# Altium PCB RockerBox_Rev01.PcbDoc (part 4 of 8) (continued)
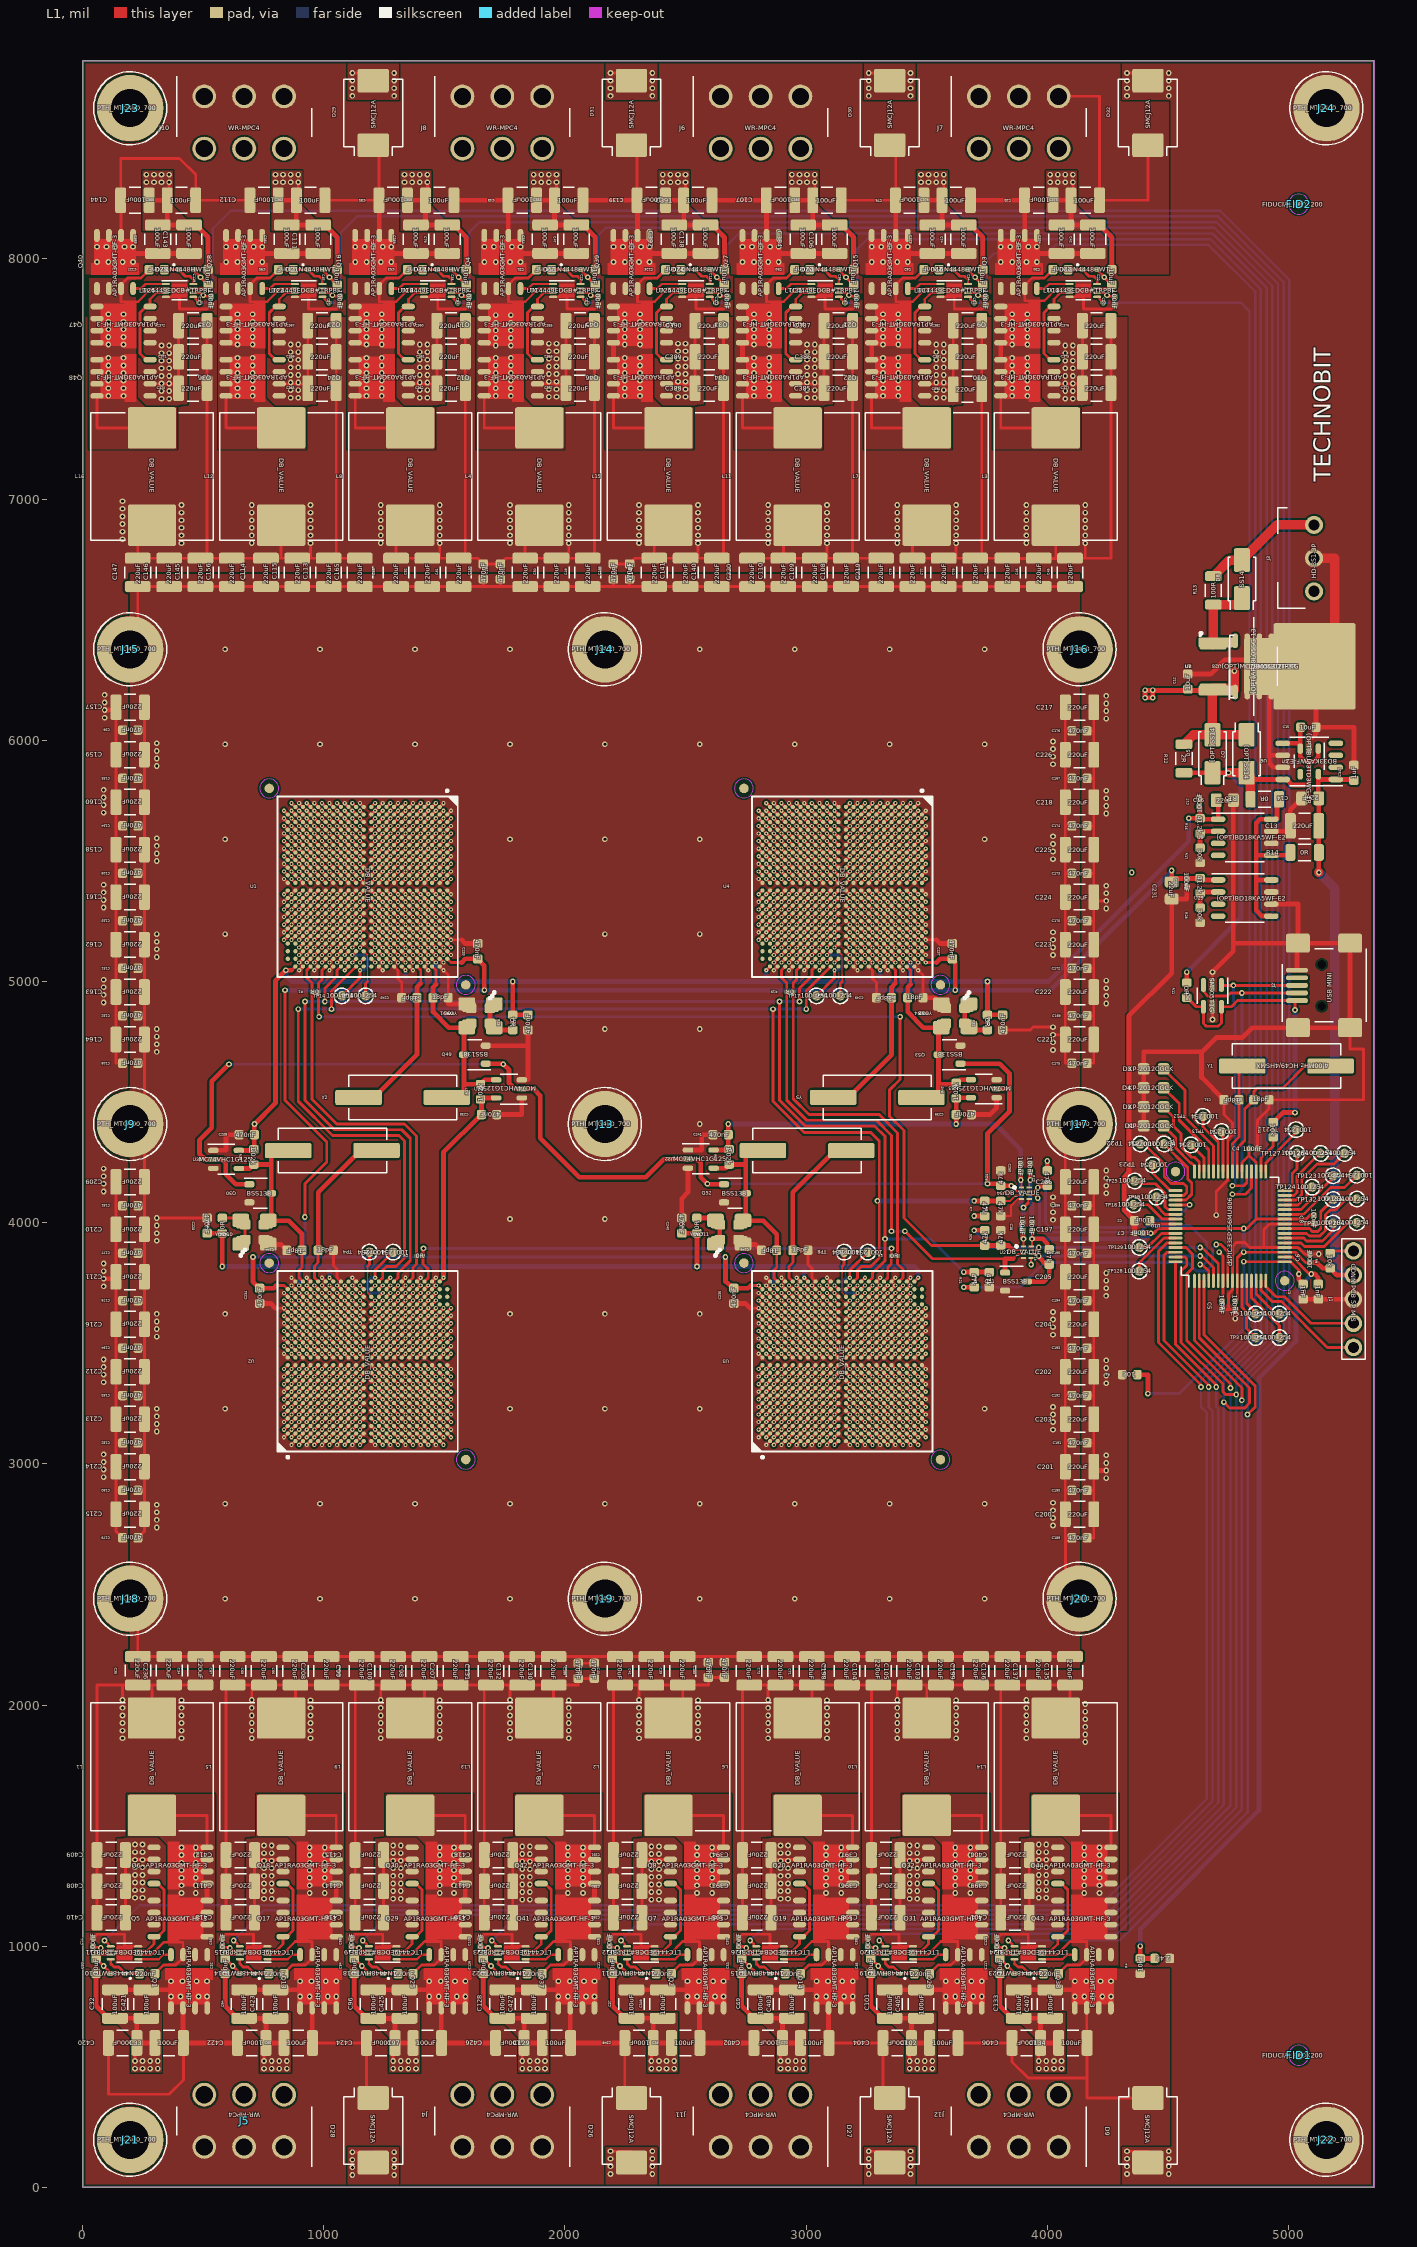
[diagram p0: L1 view]
## Nets (pads, with @x,y where several pads share a name; then routed paths per layer and width w, separated by ;. In a path a pad name is that pad's centre, name@x,y a point inside that pad or via, vN(x,y) a via of type N, cw(c..) or ccw(c..) an arc to the next point about the centre after c; other vN are vias at no path point) (continued)
; U2.AA3@1480.31,3157.48 v1(1496.06,3141.73) ; U2.AA5@1480.31,3220.47 v1(1496.06,3204.72) ; U2.AA7@1480.31,3283.46 v1(1496.06,3267.72) ; U2.AA9@1480.31,3346.46 v1(1496.06,3330.71) ; U2.AA11@1480.31,3409.45 v1(1496.06,3393.7) ; U2.AA13@1480.31,3472.44 v1(1496.06,3488.19) ; U2.AA15@1480.31,3535.43 v1(1496.06,3551.18) ; U2.AA17@1480.31,3598.43 v1(1496.06,3614.17) ; U1.B20@1480.31,5125.98 v1(1496.06,5110.24) ; U1.B18@1480.31,5188.98 v1(1496.06,5173.23) ; U1.B16@1480.31,5251.97 v1(1496.06,5236.22) ; U1.B14@1480.31,5314.96 v1(1496.06,5299.21) ; U1.B12@1480.31,5377.95 v1(1496.06,5362.2) ; U1.B10@1480.31,5440.94 v1(1496.06,5456.69) ; U1.B8@1480.31,5503.94 v1(1496.06,5519.68) ; U1.B6@1480.31,5566.93 v1(1496.06,5582.68) ; U1.B4@1480.31,5629.92 v1(1496.06,5645.67) ; U1.B2@1480.31,5692.91 v1(1496.06,5708.66) ; v2(1480.31,6817.91) C82.2@1480.31,6755.91 ; U2.AB2@1511.81,3125.98 v1(1527.56,3110.24) ; U2.AB4@1511.81,3188.98 v1(1527.56,3173.23) ; U2.AB6@1511.81,3251.97 v1(1527.56,3236.22) ; U2.AB8@1511.81,3314.96 v1(1527.56,3299.21) ; U2.AB10@1511.81,3377.95 v1(1527.56,3362.2) ; U2.AB12@1511.81,3440.94 v1(1527.56,3456.69) ; U2.AB14@1511.81,3503.94 v1(1527.56,3519.68) ; U2.AB16@1511.81,3566.93 v1(1527.56,3582.68) ; U2.AB18@1511.81,3629.92 v1(1527.56,3645.67) ; U1.A19@1511.81,5157.48 v1(1527.56,5141.73) ; U1.A17@1511.81,5220.47 v1(1527.56,5204.72) ; U1.A15@1511.81,5283.46 v1(1527.56,5267.72) ; U1.A13@1511.81,5346.46 v1(1527.56,5330.71) ; U1.A11@1511.81,5409.45 v1(1527.56,5425.2) ; U1.A9@1511.81,5472.44 v1(1527.56,5488.19) ; U1.A7@1511.81,5535.43 v1(1527.56,5551.18) ; U1.A5@1511.81,5598.43 v1(1527.56,5614.17) ; U1.A3@1511.81,5661.42 v1(1527.56,5677.17) ; C360.2@1586.61,7720.47 C81.2@1586.61,6755.91 ; C419.2@1665.35,1118.11 C417.2@1665.35,1248.03 C418.2@1665.35,1377.95 C131.2@1665.35,2082.68 ; v2(1771.65,2020.67) C132.2@1771.65,2082.68 ; L13.2@1893.7,1945.87 1952.76,1945.87 C130.2@1952.76,2082.68 ; L4.2@1893.7,6892.72 1834.65,6892.72 C51.2@1834.65,6755.91 ; v2(2015.75,6817.91) C50.2@2015.75,6755.91 ; C185.2@2122.05,2110.24 C186.2@2055.12,2110.24 2055.12,2082.68 C130.2@1952.76,2082.68 ; C355.2@2122.05,7720.47 C356.2@2122.05,7590.55 C357.2@2122.05,7460.63 2122.05,6755.91 C49.2@2094.49,6755.91 C50.2@2015.75,6755.91 ; C352.2@2200.79,1118.11 C350.2@2200.79,1248.03 C351.2@2200.79,1377.95 2200.79,2082.68 C40.2@2228.35,2082.68 C41.2@2307.09,2082.68 ; C166.2@2200.79,6732.28 C171.2@2267.72,6732.28 2291.34,6755.91 C142.2@2370.08,6755.91 ; v2(2307.09,2020.67) C41.2@2307.09,2082.68 ; L2.2@2429.13,1945.87 2488.19,1945.87 C39.2@2488.19,2082.68 ; L15.2@2429.13,6892.72 2370.08,6892.72 C142.2@2370.08,6755.91 ; v2(2551.18,6817.91) C141.2@2551.18,6755.91 ; C390.2@2657.48,7720.47 C389.2@2657.48,7590.55 C388.2@2657.48,7460.63 2657.48,6755.91 C140.2@2629.92,6755.91 C141.2@2551.18,6755.91 ; C187.2@2661.42,2114.17 C188.2@2594.49,2114.17 2594.49,2082.68 C39.2@2488.19,2082.68 ; C395.2@2736.22,1118.11 C393.2@2736.22,1248.03 C394.2@2736.22,1377.95 2736.22,2082.68 C72.2@2763.78,2082.68 C73.2@2842.52,2082.68 ; C220.2@2775.59,6755.91 C110.2@2905.51,6755.91 ; v1(2803.15,3141.73) U3.A3@2818.9,3157.48 ; v1(2803.15,3204.72) U3.A5@2818.9,3220.47 ; v1(2803.15,3267.72) U3.A7@2818.9,3283.46 ; v1(2803.15,3330.71) U3.A9@2818.9,3346.46 ; v1(2803.15,3393.7) U3.A11@2818.9,3409.45 ; v1(2803.15,3488.19) U3.A13@2818.9,3472.44 ; v1(2803.15,3551.18) U3.A15@2818.9,3535.43 ; v1(2803.15,3614.17) U3.A17@2818.9,3598.43 ; v1(2803.15,3677.17) U3.A19@2818.9,3661.42 ; v1(2803.15,5173.23) U4.AB18@2818.9,5188.98 ; v1(2803.15,5236.22) U4.AB16@2818.9,5251.97 ; v1(2803.15,5299.21) U4.AB14@2818.9,5314.96 ; v1(2803.15,5362.2) U4.AB12@2818.9,5377.95 ; v1(2803.15,5456.69) U4.AB10@2818.9,5440.94 ; v1(2803.15,5519.68) U4.AB8@2818.9,5503.94 ; v1(2803.15,5582.68) U4.AB6@2818.9,5566.93 ; v1(2803.15,5645.67) U4.AB4@2818.9,5629.92 ; v1(2803.15,5708.66) U4.AB2@2818.9,5692.91 ; v1(2834.65,3110.24) U3.B2@2850.39,3125.98 ; v1(2834.65,3173.23) U3.B4@2850.39,3188.98 ; v1(2834.65,3236.22) U3.B6@2850.39,3251.97 ; v1(2834.65,3299.21) U3.B8@2850.39,3314.96 ; v1(2834.65,3362.2) U3.B10@2850.39,3377.95 ; v1(2834.65,3456.69) U3.B12@2850.39,3440.94 ; v1(2834.65,3519.68) U3.B14@2850.39,3503.94 ; v1(2834.65,3582.68) U3.B16@2850.39,3566.93 ; v1(2834.65,3645.67) U3.B18@2850.39,3629.92 ; v1(2834.65,3708.66) U3.B20@2850.39,3692.91 ; v1(2834.65,5204.72) U4.AA17@2850.39,5220.47 ; v1(2834.65,5267.72) U4.AA15@2850.39,5283.46 ; v1(2834.65,5330.71) U4.AA13@2850.39,5346.46 ; v1(2834.65,5425.2) U4.AA11@2850.39,5409.45 ; v1(2834.65,5488.19) U4.AA9@2850.39,5472.44 ; v1(2834.65,5551.18) U4.AA7@2850.39,5535.43 ; v1(2834.65,5614.17) U4.AA5@2850.39,5598.43 ; v1(2834.65,5677.17) U4.AA3@2850.39,5661.42 ; v1(2834.65,5740.16) U4.AA1@2850.39,5724.41 ; v2(2842.52,2020.67) C73.2@2842.52,2082.68 ; v1(2866.14,3078.74) U3.C1@2881.89,3094.49 ; v1(2866.14,3141.73) U3.C3@2881.89,3157.48 ; v1(2866.14,3204.72) U3.C5@2881.89,3220.47 ; v1(2866.14,3267.72) U3.C7@2881.89,3283.46 ; v1(2866.14,3330.71) U3.C9@2881.89,3346.46 ; v1(2866.14,3393.7) U3.C11@2881.89,3409.45 ; v1(2866.14,3488.19) U3.C13@2881.89,3472.44 ; v1(2866.14,3551.18) U3.C15@2881.89,3535.43 ; v1(2866.14,3614.17) U3.C17@2881.89,3598.43 ; v1(2866.14,3677.17) U3.C19@2881.89,3661.42 ; v1(2866.14,5110.24) U4.Y20@2881.89,5125.98 ; v1(2866.14,5173.23) U4.Y18@2881.89,5188.98 ; v1(2866.14,5236.22) U4.Y16@2881.89,5251.97 ; v1(2866.14,5299.21) U4.Y14@2881.89,5314.96 ; v1(2866.14,5362.2) U4.Y12@2881.89,5377.95 ; v1(2866.14,5456.69) U4.Y10@2881.89,5440.94 ; v1(2866.14,5519.68) U4.Y8@2881.89,5503.94 ; v1(2866.14,5582.68) U4.Y6@2881.89,5566.93 ; v1(2866.14,5645.67) U4.Y4@2881.89,5629.92 ; v1(2866.14,5708.66) U4.Y2@2881.89,5692.91 ; v1(2897.64,3110.24) U3.D2@2913.39,3125.98 ; v1(2897.64,3173.23) U3.D4@2913.39,3188.98 ; v1(2897.64,3236.22) U3.D6@2913.39,3251.97 ; v1(2897.64,3299.21) U3.D8@2913.39,3314.96 ; v1(2897.64,3362.2) U3.D10@2913.39,3377.95 ; v1(2897.64,3456.69) U3.D12@2913.39,3440.94 ; v1(2897.64,3519.68) U3.D14@2913.39,3503.94 ; v1(2897.64,3582.68) U3.D16@2913.39,3566.93 ; v1(2897.64,3645.67) U3.D18@2913.39,3629.92 ; v1(2897.64,3708.66) U3.D20@2913.39,3692.91 ; v1(2897.64,5078.74) U4.W21@2913.39,5094.49 ; v1(2897.64,5141.73) U4.W19@2913.39,5157.48 ; v1(2897.64,5204.72) U4.W17@2913.39,5220.47 ; v1(2897.64,5267.72) U4.W15@2913.39,5283.46 ; v1(2897.64,5330.71) U4.W13@2913.39,5346.46 ; v1(2897.64,5425.2) U4.W11@2913.39,5409.45 ; v1(2897.64,5488.19) U4.W9@2913.39,5472.44 ; v1(2897.64,5551.18) U4.W7@2913.39,5535.43 ; v1(2897.64,5614.17) U4.W5@2913.39,5598.43 ; v1(2897.64,5677.17) U4.W3@2913.39,5661.42 ; v1(2897.64,5740.16) U4.W1@2913.39,5724.41 ; v1(2929.13,3078.74) U3.E1@2944.88,3094.49 ; v1(2929.13,3141.73) U3.E3@2944.88,3157.48 ; v1(2929.13,3204.72) U3.E5@2944.88,3220.47 ; v1(2929.13,3267.72) U3.E7@2944.88,3283.46 ; v1(2929.13,3330.71) U3.E9@2944.88,3346.46 ; v1(2929.13,3393.7) U3.E11@2944.88,3409.45 ; v1(2929.13,3488.19) U3.E13@2944.88,3472.44 ; v1(2929.13,3551.18) U3.E15@2944.88,3535.43 ; v1(2929.13,3614.17) U3.E17@2944.88,3598.43 ; v1(2929.13,3677.17) U3.E19@2944.88,3661.42 ; v1(2929.13,3740.16) U3.E21@2944.88,3724.41 ; v1(2929.13,5110.24) U4.V20@2944.88,5125.98 ; v1(2929.13,5173.23) U4.V18@2944.88,5188.98 ; v1(2929.13,5236.22) U4.V16@2944.88,5251.97 ; v1(2929.13,5299.21) U4.V14@2944.88,5314.96 ; v1(2929.13,5362.2) U4.V12@2944.88,5377.95 ; v1(2929.13,5456.69) U4.V10@2944.88,5440.94 ; v1(2929.13,5519.68) U4.V8@2944.88,5503.94 ; v1(2929.13,5582.68) U4.V6@2944.88,5566.93 ; v1(2929.13,5645.67) U4.V4@2944.88,5629.92 ; v1(2929.13,5708.66) U4.V2@2944.88,5692.91 ; v1(2960.63,3110.24) U3.F2@2976.38,3125.98 ; v1(2960.63,3173.23) U3.F4@2976.38,3188.98 ; v1(2960.63,3236.22) U3.F6@2976.38,3251.97 ; v1(2960.63,3299.21) U3.F8@2976.38,3314.96 ; v1(2960.63,3362.2) U3.F10@2976.38,3377.95 ; v1(2960.63,3456.69) U3.F12@2976.38,3440.94 ; v1(2960.63,3519.68) U3.F14@2976.38,3503.94 ; v1(2960.63,3582.68) U3.F16@2976.38,3566.93 ; v1(2960.63,3645.67) U3.F18@2976.38,3629.92 ; v1(2960.63,3708.66) U3.F20@2976.38,3692.91 ; v1(2960.63,5078.74) U4.U21@2976.38,5094.49 ; v1(2960.63,5141.73) U4.U19@2976.38,5157.48 ; v1(2960.63,5204.72) U4.U17@2976.38,5220.47 ; v1(2960.63,5267.72) U4.U15@2976.38,5283.46 ; v1(2960.63,5330.71) U4.U13@2976.38,5346.46 ; v1(2960.63,5425.2) U4.U11@2976.38,5409.45 ; v1(2960.63,5488.19) U4.U9@2976.38,5472.44 ; v1(2960.63,5551.18) U4.U7@2976.38,5535.43 ; v1(2960.63,5614.17) U4.U5@2976.38,5598.43 ; v1(2960.63,5677.17) U4.U3@2976.38,5661.42 ; v1(2960.63,5740.16) U4.U1@2976.38,5724.41 ; L6.2@2964.57,1945.87 3023.62,1945.87 C71.2@3023.62,2082.68 ; L11.2@2964.57,6892.72 2905.51,6892.72 C110.2@2905.51,6755.91 ; v1(2992.13,3078.74) U3.G1@3007.87,3094.49 ; v1(2992.13,3141.73) U3.G3@3007.87,3157.48 ; v1(2992.13,3204.72) U3.G5@3007.87,3220.47 ; v1(2992.13,3267.72) U3.G7@3007.87,3283.46 ; v1(2992.13,3330.71) U3.G9@3007.87,3346.46 ; v1(2992.13,3393.7) U3.G11@3007.87,3409.45 ; v1(2992.13,3488.19) U3.G13@3007.87,3472.44 ; v1(2992.13,3551.18) U3.G15@3007.87,3535.43 ; v1(2992.13,3614.17) U3.G17@3007.87,3598.43 ; v1(2992.13,3677.17) U3.G19@3007.87,3661.42 ; v1(2992.13,3740.16) U3.G21@3007.87,3724.41 ; v1(2992.13,5110.24) U4.T20@3007.87,5125.98 ; v1(2992.13,5173.23) U4.T18@3007.87,5188.98 ; v1(2992.13,5236.22) U4.T16@3007.87,5251.97 ; v1(2992.13,5299.21) U4.T14@3007.87,5314.96 ; v1(2992.13,5362.2) U4.T12@3007.87,5377.95 ; v1(2992.13,5456.69) U4.T10@3007.87,5440.94 ; v1(2992.13,5519.68) U4.T8@3007.87,5503.94 ; v1(2992.13,5582.68) U4.T6@3007.87,5566.93 ; v1(2992.13,5645.67) U4.T4@3007.87,5629.92 ; v1(2992.13,5708.66) U4.T2@3007.87,5692.91 ; v1(3023.62,3110.24) U3.H2@3039.37,3125.98 ; v1(3023.62,3173.23) U3.H4@3039.37,3188.98 ; v1(3023.62,3236.22) U3.H6@3039.37,3251.97 ; v1(3023.62,3299.21) U3.H8@3039.37,3314.96 ; v1(3023.62,3362.2) U3.H10@3039.37,3377.95 ; v1(3023.62,3456.69) U3.H12@3039.37,3440.94 ; v1(3023.62,3519.68) U3.H14@3039.37,3503.94 ; v1(3023.62,3582.68) U3.H16@3039.37,3566.93 ; v1(3023.62,3645.67) U3.H18@3039.37,3629.92 ; v1(3023.62,3708.66) U3.H20@3039.37,3692.91 ; v1(3023.62,5078.74) U4.R21@3039.37,5094.49 ; v1(3023.62,5141.73) U4.R19@3039.37,5157.48 ; v1(3023.62,5204.72) U4.R17@3039.37,5220.47 ; v1(3023.62,5267.72) U4.R15@3039.37,5283.46 ; v1(3023.62,5330.71) U4.R13@3039.37,5346.46 ; v1(3023.62,5425.2) U4.R11@3039.37,5409.45 ; v1(3023.62,5488.19) U4.R9@3039.37,5472.44 ; v1(3023.62,5551.18) U4.R7@3039.37,5535.43 ; v1(3023.62,5614.17) U4.R5@3039.37,5598.43 ; v1(3023.62,5677.17) U4.R3@3039.37,5661.42 ; v1(3023.62,5740.16) U4.R1@3039.37,5724.41 ; v1(3055.12,3078.74) U3.J1@3070.87,3094.49 ; v1(3055.12,3141.73) U3.J3@3070.87,3157.48 ; v1(3055.12,3204.72) U3.J5@3070.87,3220.47 ; v1(3055.12,3267.72) U3.J7@3070.87,3283.46 ; v1(3055.12,3330.71) U3.J9@3070.87,3346.46 ; v1(3055.12,3393.7) U3.J11@3070.87,3409.45 ; v1(3055.12,3488.19) U3.J13@3070.87,3472.44 ; v1(3055.12,3551.18) U3.J15@3070.87,3535.43 ; v1(3055.12,3614.17) U3.J17@3070.87,3598.43 ; v1(3055.12,3677.17) U3.J19@3070.87,3661.42 ; v1(3055.12,3740.16) U3.J21@3070.87,3724.41 ; v1(3055.12,5110.24) U4.P20@3070.87,5125.98 ; v1(3055.12,5173.23) U4.P18@3070.87,5188.98 ; v1(3055.12,5236.22) U4.P16@3070.87,5251.97 ; v1(3055.12,5299.21) U4.P14@3070.87,5314.96 ; v1(3055.12,5362.2) U4.P12@3070.87,5377.95 ; v1(3055.12,5456.69) U4.P10@3070.87,5440.94 ; v1(3055.12,5519.68) U4.P8@3070.87,5503.94 ; v1(3055.12,5582.68) U4.P6@3070.87,5566.93 ; v1(3055.12,5645.67) U4.P4@3070.87,5629.92 ; v1(3055.12,5708.66) U4.P2@3070.87,5692.91 ; v1(3086.61,3110.24) U3.K2@3102.36,3125.98 ; v1(3086.61,3173.23) U3.K4@3102.36,3188.98 ; v1(3086.61,3236.22) U3.K6@3102.36,3251.97 ; v1(3086.61,3299.21) U3.K8@3102.36,3314.96 ; v1(3086.61,3362.2) U3.K10@3102.36,3377.95 ; v1(3086.61,3456.69) U3.K12@3102.36,3440.94 ; v1(3086.61,3519.68) U3.K14@3102.36,3503.94 ; v1(3086.61,3582.68) U3.K16@3102.36,3566.93 ; v1(3086.61,3645.67) U3.K18@3102.36,3629.92 ; v1(3086.61,3708.66) U3.K20@3102.36,3692.91 ; v1(3086.61,5078.74) U4.N21@3102.36,5094.49 ; v1(3086.61,5141.73) U4.N19@3102.36,5157.48 ; v1(3086.61,5204.72) U4.N17@3102.36,5220.47 ; v1(3086.61,5267.72) U4.N15@3102.36,5283.46 ; v1(3086.61,5330.71) U4.N13@3102.36,5346.46 ; v1(3086.61,5425.2) U4.N11@3102.36,5409.45 ; v1(3086.61,5488.19) U4.N9@3102.36,5472.44 ; v1(3086.61,5551.18) U4.N7@3102.36,5535.43 ; v1(3086.61,5614.17) U4.N5@3102.36,5598.43 ; v1(3086.61,5677.17) U4.N3@3102.36,5661.42 ; v1(3086.61,5740.16) U4.N1@3102.36,5724.41 ; v2(3086.61,6817.91) C109.2@3086.61,6755.91 ; v1(3118.11,3078.74) U3.L1@3133.86,3094.49 ; v1(3118.11,3141.73) U3.L3@3133.86,3157.48 ; v1(3118.11,3204.72) U3.L5@3133.86,3220.47 ; v1(3118.11,3267.72) U3.L7@3133.86,3283.46 ; v1(3118.11,3330.71) U3.L9@3133.86,3346.46 ; v1(3118.11,3393.7) U3.L11@3133.86,3409.45 ; v1(3118.11,3488.19) U3.L13@3133.86,3472.44 ; v1(3118.11,3551.18) U3.L15@3133.86,3535.43 ; v1(3118.11,3614.17) U3.L17@3133.86,3598.43 ; v1(3118.11,3677.17) U3.L19@3133.86,3661.42 ; v1(3118.11,3740.16) U3.L21@3133.86,3724.41 ; v1(3118.11,5173.23) U4.M18@3133.86,5188.98 ; v1(3118.11,5236.22) U4.M16@3133.86,5251.97 ; v1(3118.11,5299.21) U4.M14@3133.86,5314.96 ; v1(3118.11,5362.2) U4.M12@3133.86,5377.95 ; v1(3118.11,5456.69) U4.M10@3133.86,5440.94 ; v1(3118.11,5519.68) U4.M8@3133.86,5503.94 ; v1(3118.11,5582.68) U4.M6@3133.86,5566.93 ; v1(3118.11,5645.67) U4.M4@3133.86,5629.92 ; v1(3118.11,5708.66) U4.M2@3133.86,5692.91 ; U3.M2@3165.35,3125.98 v1(3181.1,3110.24) ; U3.M4@3165.35,3188.98 v1(3181.1,3173.23) ; U3.M6@3165.35,3251.97 v1(3181.1,3236.22) ; U3.M8@3165.35,3314.96 v1(3181.1,3299.21) ; U3.M10@3165.35,3377.95 v1(3181.1,3362.2) ; U3.M12@3165.35,3440.94 v1(3181.1,3456.69) ; U3.M14@3165.35,3503.94 v1(3181.1,3519.68) ; U3.M16@3165.35,3566.93 v1(3181.1,3582.68) ; U3.M18@3165.35,3629.92 v1(3181.1,3645.67) ; U4.L21@3165.35,5094.49 v1(3181.1,5078.74) ; U4.L19@3165.35,5157.48 v1(3181.1,5141.73) ; U4.L17@3165.35,5220.47 v1(3181.1,5204.72) ; U4.L15@3165.35,5283.46 v1(3181.1,5267.72) ; U4.L13@3165.35,5346.46 v1(3181.1,5330.71) ; U4.L11@3165.35,5409.45 v1(3181.1,5425.2) ; U4.L9@3165.35,5472.44 v1(3181.1,5488.19) ; U4.L7@3165.35,5535.43 v1(3181.1,5551.18) ; U4.L5@3165.35,5598.43 v1(3181.1,5614.17) ; U4.L3@3165.35,5661.42 v1(3181.1,5677.17) ; U4.L1@3165.35,5724.41 v1(3181.1,5740.16) ; C387.2@3192.91,7720.47 C385.2@3192.91,7460.63 C108.2@3192.91,6755.91 ; U3.N1@3196.85,3094.49 v1(3212.6,3078.74) ; U3.N3@3196.85,3157.48 v1(3212.6,3141.73) ; U3.N5@3196.85,3220.47 v1(3212.6,3204.72) ; U3.N7@3196.85,3283.46 v1(3212.6,3267.72) ; U3.N9@3196.85,3346.46 v1(3212.6,3330.71) ; U3.N11@3196.85,3409.45 v1(3212.6,3393.7) ; U3.N13@3196.85,3472.44 v1(3212.6,3488.19) ; U3.N15@3196.85,3535.43 v1(3212.6,3551.18) ; U3.N17@3196.85,3598.43 v1(3212.6,3614.17) ; U3.N19@3196.85,3661.42 v1(3212.6,3677.17) ; U3.N21@3196.85,3724.41 v1(3212.6,3740.16) ; U4.K20@3196.85,5125.98 v1(3212.6,5110.24) ; U4.K18@3196.85,5188.98 v1(3212.6,5173.23) ; U4.K16@3196.85,5251.97 v1(3212.6,5236.22) ; U4.K14@3196.85,5314.96 v1(3212.6,5299.21) ; U4.K12@3196.85,5377.95 v1(3212.6,5362.2) ; U4.K10@3196.85,5440.94 v1(3212.6,5456.69) ; U4.K8@3196.85,5503.94 v1(3212.6,5519.68) ; U4.K6@3196.85,5566.93 v1(3212.6,5582.68) ; U4.K4@3196.85,5629.92 v1(3212.6,5645.67) ; U4.K2@3196.85,5692.91 v1(3212.6,5708.66) ; U3.P2@3228.35,3125.98 v1(3244.09,3110.24) ; U3.P4@3228.35,3188.98 v1(3244.09,3173.23) ; U3.P6@3228.35,3251.97 v1(3244.09,3236.22) ; U3.P8@3228.35,3314.96 v1(3244.09,3299.21) ; U3.P10@3228.35,3377.95 v1(3244.09,3362.2) ; U3.P12@3228.35,3440.94 v1(3244.09,3456.69) ; U3.P14@3228.35,3503.94 v1(3244.09,3519.68) ; U3.P16@3228.35,3566.93 v1(3244.09,3582.68) ; U3.P18@3228.35,3629.92 v1(3244.09,3645.67) ; U3.P20@3228.35,3692.91 v1(3244.09,3708.66) ; U4.J21@3228.35,5094.49 v1(3244.09,5078.74) ; U4.J19@3228.35,5157.48 v1(3244.09,5141.73) ; U4.J17@3228.35,5220.47 v1(3244.09,5204.72) ; U4.J15@3228.35,5283.46 v1(3244.09,5267.72) ; U4.J13@3228.35,5346.46 v1(3244.09,5330.71) ; U4.J11@3228.35,5409.45 v1(3244.09,5425.2) ; U4.J9@3228.35,5472.44 v1(3244.09,5488.19) ; U4.J7@3228.35,5535.43 v1(3244.09,5551.18) ; U4.J5@3228.35,5598.43 v1(3244.09,5614.17) ; U4.J3@3228.35,5661.42 v1(3244.09,5677.17) ; U4.J1@3228.35,5724.41 v1(3244.09,5740.16) ; U3.R1@3259.84,3094.49 v1(3275.59,3078.74) ; U3.R3@3259.84,3157.48 v1(3275.59,3141.73) ; U3.R5@3259.84,3220.47 v1(3275.59,3204.72) ; U3.R7@3259.84,3283.46 v1(3275.59,3267.72) ; U3.R9@3259.84,3346.46 v1(3275.59,3330.71) ; U3.R11@3259.84,3409.45 v1(3275.59,3393.7) ; U3.R13@3259.84,3472.44 v1(3275.59,3488.19) ; U3.R15@3259.84,3535.43 v1(3275.59,3551.18) ; U3.R17@3259.84,3598.43 v1(3275.59,3614.17) ; U3.R19@3259.84,3661.42 v1(3275.59,3677.17) ; U3.R21@3259.84,3724.41 v1(3275.59,3740.16) ; U4.H20@3259.84,5125.98 v1(3275.59,5110.24) ; U4.H18@3259.84,5188.98 v1(3275.59,5173.23) ; U4.H16@3259.84,5251.97 v1(3275.59,5236.22) ; U4.H14@3259.84,5314.96 v1(3275.59,5299.21) ; U4.H12@3259.84,5377.95 v1(3275.59,5362.2) ; U4.H10@3259.84,5440.94 v1(3275.59,5456.69) ; U4.H8@3259.84,5503.94 v1(3275.59,5519.68) ; U4.H6@3259.84,5566.93 v1(3275.59,5582.68) ; U4.H4@3259.84,5629.92 v1(3275.59,5645.67) ; U4.H2@3259.84,5692.91 v1(3275.59,5708.66) ; C398.2@3271.65,1118.11 C396.2@3271.65,1248.03 C397.2@3271.65,1377.95 C104.2@3271.65,2082.68 ; U3.T2@3291.34,3125.98 v1(3307.09,3110.24) ; U3.T4@3291.34,3188.98 v1(3307.09,3173.23) ; U3.T6@3291.34,3251.97 v1(3307.09,3236.22) ; U3.T8@3291.34,3314.96 v1(3307.09,3299.21) ; U3.T10@3291.34,3377.95 v1(3307.09,3362.2) ; U3.T12@3291.34,3440.94 v1(3307.09,3456.69) ; U3.T14@3291.34,3503.94 v1(3307.09,3519.68) ; U3.T16@3291.34,3566.93 v1(3307.09,3582.68) ; U3.T18@3291.34,3629.92 v1(3307.09,3645.67) ; U3.T20@3291.34,3692.91 v1(3307.09,3708.66) ; U4.G21@3291.34,5094.49 v1(3307.09,5078.74) ; U4.G19@3291.34,5157.48 v1(3307.09,5141.73) ; U4.G17@3291.34,5220.47 v1(3307.09,5204.72) ; U4.G15@3291.34,5283.46 v1(3307.09,5267.72) ; U4.G13@3291.34,5346.46 v1(3307.09,5330.71) ; U4.G11@3291.34,5409.45 v1(3307.09,5425.2) ; U4.G9@3291.34,5472.44 v1(3307.09,5488.19) ; U4.G7@3291.34,5535.43 v1(3307.09,5551.18) ; U4.G5@3291.34,5598.43 v1(3307.09,5614.17) ; U4.G3@3291.34,5661.42 v1(3307.09,5677.17) ; U4.G1@3291.34,5724.41 v1(3307.09,5740.16) ; C219.2@3311.02,6755.91 C108.2@3192.91,6755.91 ; U3.U1@3322.83,3094.49 v1(3338.58,3078.74) ; U3.U3@3322.83,3157.48 v1(3338.58,3141.73) ; U3.U5@3322.83,3220.47 v1(3338.58,3204.72) ; U3.U7@3322.83,3283.46 v1(3338.58,3267.72) ; U3.U9@3322.83,3346.46 v1(3338.58,3330.71) ; U3.U11@3322.83,3409.45 v1(3338.58,3393.7) ; U3.U13@3322.83,3472.44 v1(3338.58,3488.19) ; U3.U15@3322.83,3535.43 v1(3338.58,3551.18) ; U3.U17@3322.83,3598.43 v1(3338.58,3614.17) ; U3.U19@3322.83,3661.42 v1(3338.58,3677.17) ; U3.U21@3322.83,3724.41 v1(3338.58,3740.16) ; U4.F20@3322.83,5125.98 v1(3338.58,5110.24) ; U4.F18@3322.83,5188.98 v1(3338.58,5173.23) ; U4.F16@3322.83,5251.97 v1(3338.58,5236.22) ; U4.F14@3322.83,5314.96 v1(3338.58,5299.21) ; U4.F12@3322.83,5377.95 v1(3338.58,5362.2) ; U4.F10@3322.83,5440.94 v1(3338.58,5456.69) ; U4.F8@3322.83,5503.94 v1(3338.58,5519.68) ; U4.F6@3322.83,5566.93 v1(3338.58,5582.68) ; U4.F4@3322.83,5629.92 v1(3338.58,5645.67) ; U4.F2@3322.83,5692.91 v1(3338.58,5708.66) ; U3.V2@3354.33,3125.98 v1(3370.08,3110.24) ; U3.V4@3354.33,3188.98 v1(3370.08,3173.23) ; U3.V6@3354.33,3251.97 v1(3370.08,3236.22) ; U3.V8@3354.33,3314.96 v1(3370.08,3299.21) ; U3.V10@3354.33,3377.95 v1(3370.08,3362.2) ; U3.V12@3354.33,3440.94 v1(3370.08,3456.69) ; U3.V14@3354.33,3503.94 v1(3370.08,3519.68) ; U3.V16@3354.33,3566.93 v1(3370.08,3582.68) ; U3.V18@3354.33,3629.92 v1(3370.08,3645.67) ; U3.V20@3354.33,3692.91 v1(3370.08,3708.66) ; U4.E21@3354.33,5094.49 v1(3370.08,5078.74) ; U4.E19@3354.33,5157.48 v1(3370.08,5141.73) ; U4.E17@3354.33,5220.47 v1(3370.08,5204.72) ; U4.E15@3354.33,5283.46 v1(3370.08,5267.72) ; U4.E13@3354.33,5346.46 v1(3370.08,5330.71) ; U4.E11@3354.33,5409.45 v1(3370.08,5425.2) ; U4.E9@3354.33,5472.44 v1(3370.08,5488.19) ; U4.E7@3354.33,5535.43 v1(3370.08,5551.18) ; U4.E5@3354.33,5598.43 v1(3370.08,5614.17) ; U4.E3@3354.33,5661.42 v1(3370.08,5677.17) ; U4.E1@3354.33,5724.41 v1(3370.08,5740.16) ; v2(3377.95,2020.67) C105.2@3377.95,2082.68 ; U3.W1@3385.83,3094.49 v1(3401.57,3078.74) ; U3.W3@3385.83,3157.48 v1(3401.57,3141.73) ; U3.W5@3385.83,3220.47 v1(3401.57,3204.72) ; U3.W7@3385.83,3283.46 v1(3401.57,3267.72) ; U3.W9@3385.83,3346.46 v1(3401.57,3330.71) ; U3.W11@3385.83,3409.45 v1(3401.57,3393.7) ; U3.W13@3385.83,3472.44 v1(3401.57,3488.19) ; U3.W15@3385.83,3535.43 v1(3401.57,3551.18) ; U3.W17@3385.83,3598.43 v1(3401.57,3614.17) ; U3.W19@3385.83,3661.42 v1(3401.57,3677.17) ; U3.W21@3385.83,3724.41 v1(3401.57,3740.16) ; U4.D20@3385.83,5125.98 v1(3401.57,5110.24) ; U4.D18@3385.83,5188.98 v1(3401.57,5173.23) ; U4.D16@3385.83,5251.97 v1(3401.57,5236.22) ; U4.D14@3385.83,5314.96 v1(3401.57,5299.21) ; U4.D12@3385.83,5377.95 v1(3401.57,5362.2) ; U4.D10@3385.83,5440.94 v1(3401.57,5456.69) ; U4.D8@3385.83,5503.94 v1(3401.57,5519.68) ; U4.D6@3385.83,5566.93 v1(3401.57,5582.68) ; U4.D4@3385.83,5629.92 v1(3401.57,5645.67) ; U4.D2@3385.83,5692.91 v1(3401.57,5708.66) ; U3.Y2@3417.32,3125.98 v1(3433.07,3110.24) ; U3.Y4@3417.32,3188.98 v1(3433.07,3173.23) ; U3.Y6@3417.32,3251.97 v1(3433.07,3236.22) ; U3.Y8@3417.32,3314.96 v1(3433.07,3299.21) ; U3.Y10@3417.32,3377.95 v1(3433.07,3362.2) ; U3.Y12@3417.32,3440.94 v1(3433.07,3456.69) ; U3.Y14@3417.32,3503.94 v1(3433.07,3519.68) ; U3.Y16@3417.32,3566.93 v1(3433.07,3582.68) ; U3.Y18@3417.32,3629.92 v1(3433.07,3645.67) ; U3.Y20@3417.32,3692.91 v1(3433.07,3708.66) ; U4.C19@3417.32,5157.48 v1(3433.07,5141.73) ; U4.C17@3417.32,5220.47 v1(3433.07,5204.72) ; U4.C15@3417.32,5283.46 v1(3433.07,5267.72) ; U4.C13@3417.32,5346.46 v1(3433.07,5330.71) ; U4.C11@3417.32,5409.45 v1(3433.07,5425.2) ; U4.C9@3417.32,5472.44 v1(3433.07,5488.19) ; U4.C7@3417.32,5535.43 v1(3433.07,5551.18) ; U4.C5@3417.32,5598.43 v1(3433.07,5614.17) ; U4.C3@3417.32,5661.42 v1(3433.07,5677.17) ; U4.C1@3417.32,5724.41 v1(3433.07,5740.16) ; U3.AA1@3448.82,3094.49 v1(3464.57,3078.74) ; U3.AA3@3448.82,3157.48 v1(3464.57,3141.73) ; U3.AA5@3448.82,3220.47 v1(3464.57,3204.72) ; U3.AA7@3448.82,3283.46 v1(3464.57,3267.72) ; U3.AA9@3448.82,3346.46 v1(3464.57,3330.71) ; U3.AA11@3448.82,3409.45 v1(3464.57,3393.7) ; U3.AA13@3448.82,3472.44 v1(3464.57,3488.19) ; U3.AA15@3448.82,3535.43 v1(3464.57,3551.18) ; U3.AA17@3448.82,3598.43 v1(3464.57,3614.17) ; U4.B20@3448.82,5125.98 v1(3464.57,5110.24) ; U4.B18@3448.82,5188.98 v1(3464.57,5173.23) ; U4.B16@3448.82,5251.97 v1(3464.57,5236.22) ; U4.B14@3448.82,5314.96 v1(3464.57,5299.21) ; U4.B12@3448.82,5377.95 v1(3464.57,5362.2) ; U4.B10@3448.82,5440.94 v1(3464.57,5456.69) ; U4.B8@3448.82,5503.94 v1(3464.57,5519.68) ; U4.B6@3448.82,5566.93 v1(3464.57,5582.68) ; U4.B4@3448.82,5629.92 v1(3464.57,5645.67) ; U4.B2@3448.82,5692.91 v1(3464.57,5708.66) ; U3.AB2@3480.31,3125.98 v1(3496.06,3110.24) ; U3.AB4@3480.31,3188.98 v1(3496.06,3173.23) ; U3.AB6@3480.31,3251.97 v1(3496.06,3236.22) ; U3.AB8@3480.31,3314.96 v1(3496.06,3299.21) ; U3.AB10@3480.31,3377.95 v1(3496.06,3362.2) ; U3.AB12@3480.31,3440.94 v1(3496.06,3456.69) ; U3.AB14@3480.31,3503.94 v1(3496.06,3519.68) ; U3.AB16@3480.31,3566.93 v1(3496.06,3582.68) ; U3.AB18@3480.31,3629.92 v1(3496.06,3645.67) ; U4.A19@3480.31,5157.48 v1(3496.06,5141.73) ; U4.A17@3480.31,5220.47 v1(3496.06,5204.72) ; U4.A15@3480.31,5283.46 v1(3496.06,5267.72) ; U4.A13@3480.31,5346.46 v1(3496.06,5330.71) ; U4.A11@3480.31,5409.45 v1(3496.06,5425.2) ; U4.A9@3480.31,5472.44 v1(3496.06,5488.19) ; U4.A7@3480.31,5535.43 v1(3496.06,5551.18) ; U4.A5@3480.31,5598.43 v1(3496.06,5614.17) ; U4.A3@3480.31,5661.42 v1(3496.06,5677.17) ; L10.2@3500,1945.87 3500,2082.68 ; L7.2@3500,6892.72 3440.94,6892.72 C78.2@3440.94,6755.91 C77.2@3570.87,6755.91 C77.2@3622.05,6755.91 ; v2(3622.05,6817.91) C77.2@3622.05,6755.91 ; C382.2@3728.35,7720.47 C381.2@3728.35,7590.55 C380.2@3728.35,7456.69 C76.2@3728.35,6755.91 ; C401.2@3807.09,1118.11 C399.2@3807.09,1248.03 C400.2@3807.09,1377.95 C136.2@3807.09,2082.68 ; C44.2@3834.33,6755.3 4035.43,6755.3 ; L14.2@4035.43,1945.87 4094.49,1945.87 C135.2@4094.49,2082.68 C137.2@3964.57,2082.68 C136.2@3834.65,2082.68 C136.2@3807.09,2082.68 ; L3.2@4035.43,6892.72 4035.43,6755.3 ; C45.2@4094.49,6755.91 C45.2@4093.89,6755.3 ; 4157.48,6755.54 v2(4157.48,6817.91) ; C189.2@4165.35,2692.91 4192.91,2692.91 4192.91,2889.76 ; C190.2@4165.35,2889.76 4192.91,2889.76 ; C191.2@4165.35,3086.61 4192.91,3086.61 ; C192.2@4165.35,3283.46 4192.91,3283.46 ; C193.2@4165.35,3480.31 4192.91,3480.31 ; C194.2@4165.35,3677.17 4192.91,3677.17 ; C195.2@4165.35,3874.02 4192.91,3874.02 ; C196.2@4165.35,4070.87 4192.91,4070.87 ; C175.2@4165.35,4661.42 4192.91,4661.42 4192.91,4858.27 ; C169.2@4165.35,4858.27 4192.91,4858.27 ; C172.2@4165.35,5055.12 4192.91,5055.12 ; C170.2@4165.35,5251.97 4192.91,5251.97 ; C173.2@4165.35,5448.82 4192.91,5448.82 ; C174.2@4165.35,5645.67 4192.91,5645.67 ; C167.2@4165.35,5842.52 4192.91,5842.52 ; C176.2@4165.35,6039.37 4192.91,6039.37 ; C206.2@4192.91,4169.29 4192.91,4070.87 ; C217.2@4192.91,6137.8 4192.91,6039.37 ; v2(4244.29,5334.65) C224.2@4192.91,5334.65 ; C376.2@4263.78,7720.47 C375.2@4263.78,7590.55 C377.2@4263.78,7460.63 4263.78,6755.91 4157.47,6755.53 4094.49,6755.31 4094.18,6755.3 C45.2@4093.89,6755.3 ; 137.8,2889.76 C214.2@137.8,2988.19 137.8,3086.61 ; 137.8,3086.61 C213.2@137.8,3185.04 137.8,3283.46 ; 137.8,3283.46 C212.2@137.8,3381.89 137.8,3480.31 ; 137.8,3480.31 C216.2@137.8,3578.74 137.8,3677.17 ; 137.8,3677.17 137.8,3767.72 C211.2@137.8,3775.59 137.8,3874.02 ; 137.8,3874.02 C210.2@137.8,3972.44 137.8,4070.87 ; 137.8,4858.27 C163.2@137.8,4956.69 137.8,5055.12 ; 137.8,5055.12 C162.2@137.8,5153.54 137.8,5251.97 ; 137.8,5251.97 C161.2@137.8,5350.39 137.8,5448.82 ; 137.8,5448.82 C158.2@137.8,5547.24 137.8,5645.67 ; 137.8,5645.67 C160.2@137.8,5744.09 137.8,5842.52 ; 137.8,5842.52 C159.2@137.8,5940.94 137.8,6043.31 ; 165.37,2083.05 C35.2@228.66,2083.28 287.4,2083.28 ; C145.2@515.75,6755.91 C156.2@618.11,6755.91 C114.2@759.84,6755.91 822.83,6755.91 ; C68.2@700.79,2082.68 C68.2@751.97,2082.68 C66.2@881.89,2082.68 ; 822.83,6755.91 C115.2@889.76,6755.91 944.88,6755.91 ; C66.2@881.89,2082.68 C208.2@1011.81,2082.68 C99.2@1129.92,2082.68 ; 944.88,6755.91 C113.2@1019.68,6755.91 C113.2@1051.18,6755.91 ; C99.2@1129.92,2082.68 C99.2@1157.48,2082.68 C100.2@1236.22,2082.68 ; C100.2@1236.22,2082.68 C100.2@1287.4,2082.68 C98.2@1417.32,2082.68 ; C98.2@1417.32,2082.68 C207.2@1547.24,2082.68 C131.2@1665.35,2082.68 ; C82.2@1480.31,6755.91 C81.2@1559.06,6755.91 C81.2@1586.61,6755.91 ; C81.2@1586.61,6755.91 1637.8,6755.91 C150.2@1661.42,6732.28 C19.2@1732.28,6732.28 1755.91,6755.91 C51.2@1834.65,6755.91 ; C131.2@1665.35,2082.68 C131.2@1692.91,2082.68 C132.2@1771.65,2082.68 ; C132.2@1771.65,2082.68 C132.2@1822.83,2082.68 C130.2@1952.76,2082.68 ; C51.2@1834.65,6755.91 C50.2@1964.57,6755.91 C50.2@2015.75,6755.91 ; C41.2@2307.09,2082.68 C41.2@2358.27,2082.68 C39.2@2488.19,2082.68 ; C142.2@2370.08,6755.91 C141.2@2500,6755.91 C141.2@2551.18,6755.91 ; C73.2@2842.52,2082.68 C73.2@2893.7,2082.68 C71.2@3023.62,2082.68 ; C110.2@2905.51,6755.91 C109.2@3035.43,6755.91 C109.2@3086.61,6755.91 ; C71.2@3023.62,2082.68 C198.2@3169.29,2082.68 C104.2@3271.65,2082.68 ; C109.2@3086.61,6755.91 C108.2@3165.35,6755.91 C108.2@3192.91,6755.91 ; C104.2@3271.65,2082.68 C104.2@3299.21,2082.68 C105.2@3377.95,2082.68 ; C105.2@3377.95,2082.68 C105.2@3429.13,2082.68 3500,2082.68 ; 3500,2082.68 C103.2@3559.06,2082.68 C199.2@3704.72,2082.68 C136.2@3807.09,2082.68 ; C77.2@3622.05,6755.91 C76.2@3700.79,6755.91 C76.2@3728.35,6755.91 ; C76.2@3728.35,6755.91 C44.2@3834.65,6755.91 C46.2@3964.57,6755.91 4034.83,6755.91 4035.43,6755.3 ; 4035.43,6755.3 C45.2@4093.89,6755.3 ; 4192.91,2889.76 4192.91,2972.44 4192.91,3086.61 ; 4192.91,3086.61 4192.91,3283.46 ; 4192.91,3283.46 4192.91,3480.31 ; 4192.91,3480.31 4192.91,3677.17 ; 4192.91,3677.17 4192.91,3874.02 ; 4192.91,3874.02 4192.91,4070.87 ; 4192.91,4858.27 4192.91,5055.12 ; 4192.91,5055.12 4192.91,5251.97 ; 4192.91,5251.97 C224.2@4192.91,5334.65 ; C224.2@4192.91,5334.65 4192.91,5448.82 ; 4192.91,5448.82 4192.91,5645.67 ; 4192.91,5645.67 4192.91,5842.52 ; 4192.91,5842.52 4192.91,6039.37